# Altium PCB WX0.011.103PCB-4.2 .PcbDoc (part 1 of 2)
Units mil, origin at the board's own origin, x right, y up, seen from the top; angles counter-clockwise.
Board outline 10250.25 x 3401.14 mil, 2 copper layers (Top Layer, Bottom Layer); 158 components, 98 nets, 538 pads, 319 vias.
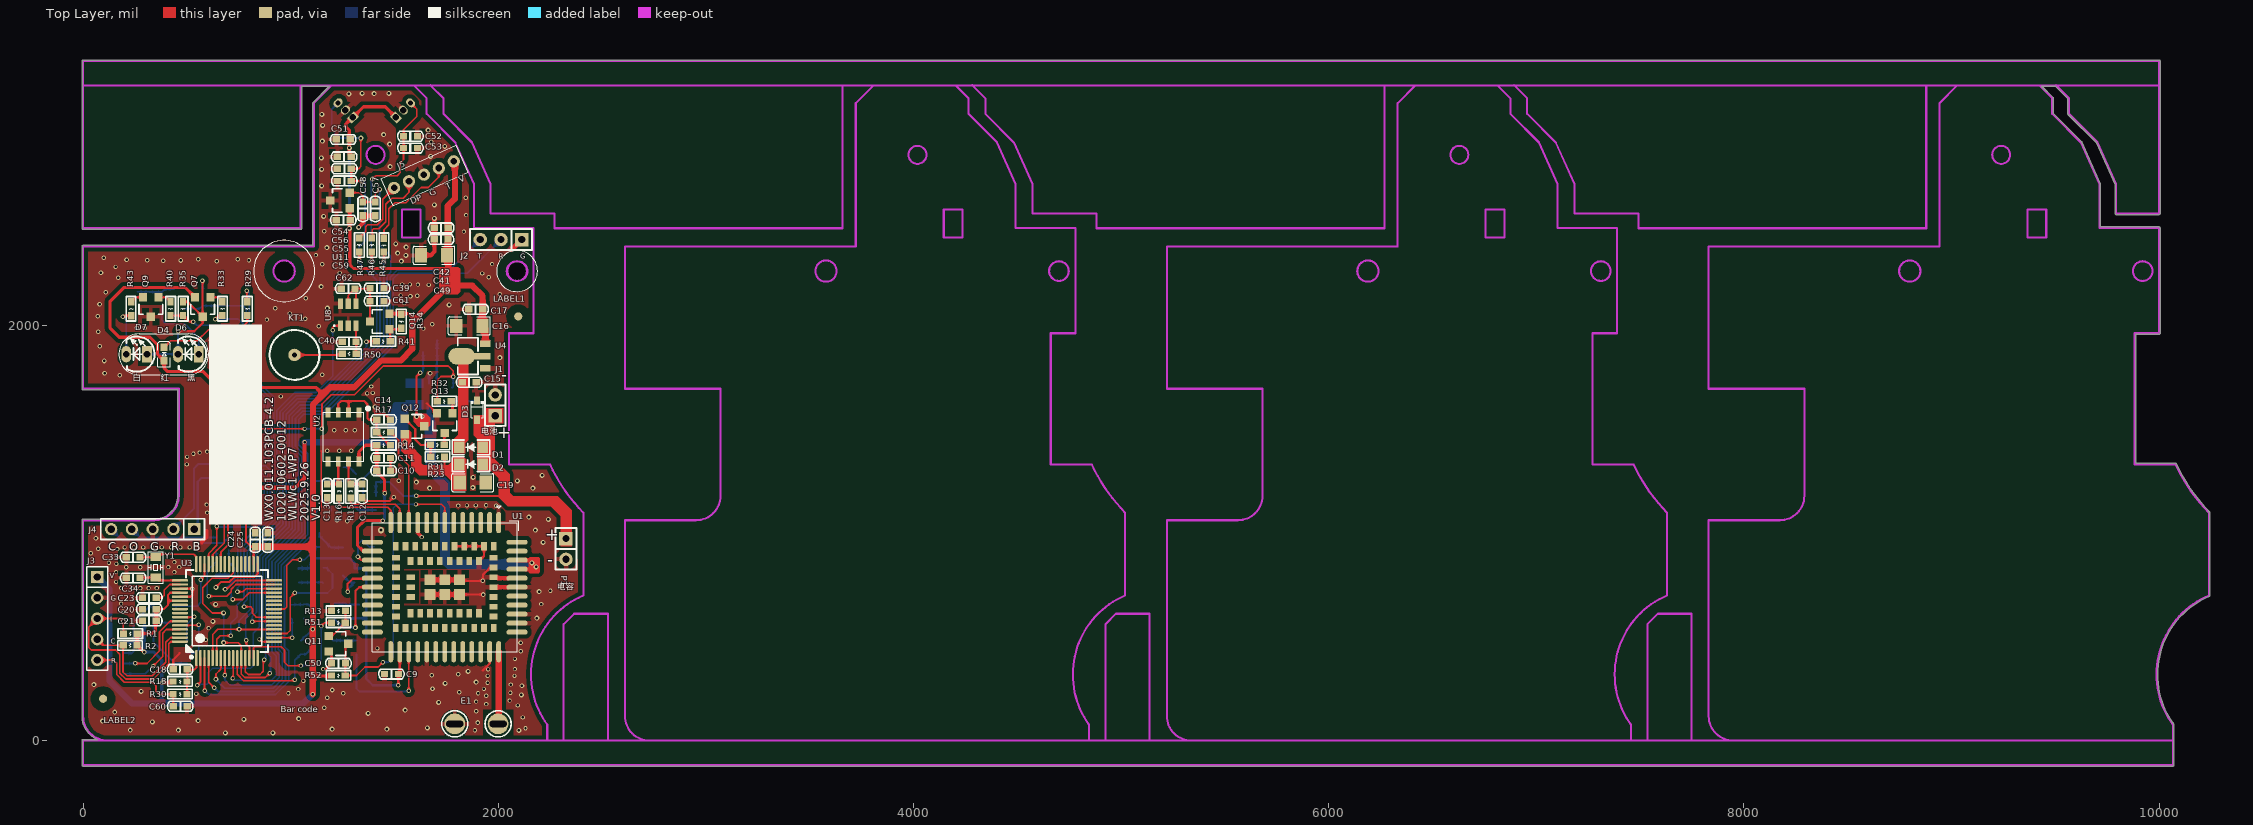
[diagram p0: Top Layer view]
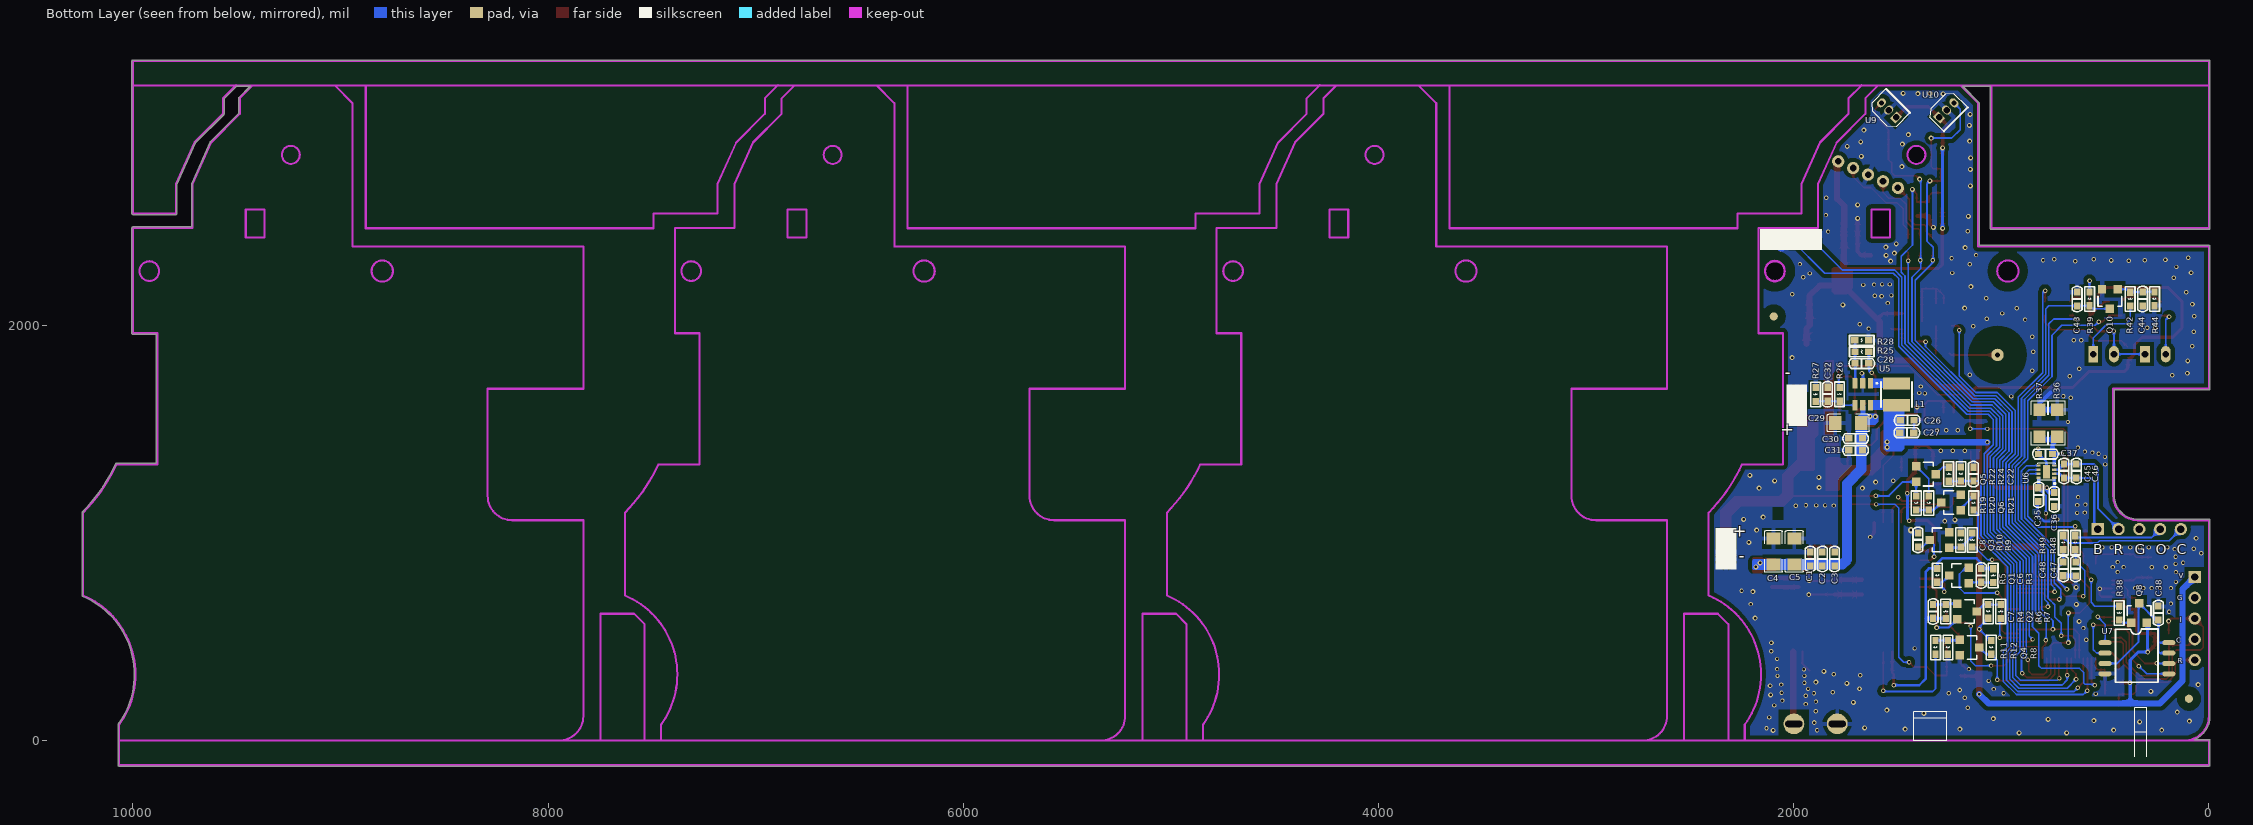
[diagram p1: Bottom Layer view, seen from below]

## Layer stack, top to bottom
Top Solder: solder mask 0.4, Solder Resist, Dk 3.5
Top Layer: signal copper 1.4
Dielectric 1: dielectric 12.6, FR-4, Dk 4.8
Bottom Layer: signal copper 1.4
Bottom Solder: solder mask 0.4, Solder Resist, Dk 3.5

## Board outline
0,-123.13 cw(c0,-118.11) -5.01,-118.11 -5.01,0 cw(c0,0) 0,5.02 69.18,5.02 cw(c118.11,118) -5.01,118 -5.01,1061.29 cw(c0,1061.29) 0,1066.31 342.52,1066.31 cw(c342.52,1061.29) 342.53,1066.31 cw(c342.54,1061.29) 342.54,1066.31 ccw(c342.54,1179.4) 455.63,1179.39 ccw(c342.54,1179.4) 455.63,1179.4 cw(c460.65,1179.4) 455.63,1179.43 455.63,1689.58 0,1689.58 cw(c0,1694.6) -5.01,1694.6 -5.01,2380 cw(c0,2380) 0,2385.02 1106.85,2385.02 1106.85,3070.34 cw(c1111.87,3070.34) 1108.34,3073.9 1108.32,3073.88 1185.96,3151.52 1053.08,3151.52 1053.08,2468 cw(c1048.06,2468) 1048.06,2462.98 0,2462.98 cw(c0,2468) -5.01,2468 -5.01,3273 cw(c0,3273) 0,3278.02 10000,3278.02 cw(c10000,3273) 10005.01,3273 10005.01,2539 cw(c10000,2539) 10000,2533.98 9793.5,2533.98 cw(c9793.5,2539) 9788.48,2539 9788.48,2679.15 9699.96,2877.98 9562.95,3014.99 9562.97,3014.97 cw(c9566.5,3018.54) 9561.48,3018.54 9561.48,3091.46 9501.42,3151.52 9434.88,3151.52 9489.32,3097.08 9489.3,3097.1 cw(c9485.77,3093.53) 9490.79,3093.53 9490.79,3020.61 9626.98,2884.42 cw(c9623.43,2880.87) 9628.02,2882.9 9628.02,2882.91 ccw(c9623.43,2880.87) 9626.96,2884.44 9628.02,2882.9 9717.35,2682.27 cw(c9712.77,2680.22) 9717.79,2680.22 9717.79,2474.15 10000,2474.15 cw(c10000,2469.14) 10005.01,2469.14 10005.01,1962 cw(c10000,1962) 10000,1956.98 9886.9,1956.98 9886.9,1335.61 10079.3,1335.61 cw(c10079.3,1330.59) 10083.84,1332.71 ccw(c10846.45,1688.32) 10242.42,1102.51 cw(c10240.16,1098.03) 10245.17,1098.03 10245.17,699.98 cw(c10240.22,699.17) 10245.24,699.17 cw(c10240.22,699.17) 10242.18,694.56 ccw(c10401.57,318.57) 9993.2,318.57 cw(c9988.18,318.57) 9993.18,318.17 ccw(c10401.55,318.57) 10070.66,79.25 cw(c10066.59,76.31) 10071.61,76.31 10071.61,-0.01 cw(c10066.59,-0.01) 10071.61,-0.21 10071.61,-118.11 cw(c10066.59,-118.11) 10066.59,-123.13
cut-out: 1535.57,2557.97 1535.57,2424.13 1626.12,2424.13 1626.12,2557.97 1626.1,2557.99 1626.08,2557.97
cut-out: 968.5,2210.33 cw(c968.5,2261.51) 917.32,2261.51 cw(c968.5,2261.51) 968.5,2312.69 cw(c968.5,2261.51) 1019.68,2261.51 cw(c968.5,2261.51)
cut-out: 1409.06,2778.23 cw(c1409.06,2821.53) 1365.76,2821.53 cw(c1409.06,2821.53) 1409.06,2864.84 cw(c1409.06,2821.53) 1452.37,2821.53 cw(c1409.06,2821.53)
cut-out: 2090.54,2210.33 cw(c2090.54,2261.51) 2039.36,2261.51 cw(c2090.54,2261.51) 2090.54,2312.69 cw(c2090.54,2261.51) 2141.73,2261.51 cw(c2090.54,2261.51)

## Design rules (kind name [scope] priority, off if disabled: settings)
Clearance VIA-VIA [ISVIA vs ISVIA] p1: gap=20 ignorepadtopadclearanceinfootprint=FALSE except(0: Arc-Hole Track-Hole SMDPad-Hole THPad-Hole Via-Hole Fill-Hole Poly-Hole Region-Hole Text-Hole)
Clearance VIA-PAD [ISVIA vs ISPAD] p2: gap=15 ignorepadtopadclearanceinfootprint=FALSE except(0: Arc-Hole Track-Hole SMDPad-Hole THPad-Hole Via-Hole Fill-Hole Poly-Hole Region-Hole Text-Hole)
Clearance VIA-TRACK [ISVIA vs ISTRACK] p3: gap=15 ignorepadtopadclearanceinfootprint=FALSE except(0: Arc-Hole Track-Hole SMDPad-Hole THPad-Hole Via-Hole Fill-Hole Poly-Hole Region-Hole Text-Hole)
Clearance Polygon [InPolygon] p4: gap=20 ignorepadtopadclearanceinfootprint=FALSE except(0: Arc-Hole Track-Hole SMDPad-Hole THPad-Hole Via-Hole Fill-Hole Poly-Hole Region-Hole Text-Hole)
Clearance [All] p5: gap=7 ignorepadtopadclearanceinfootprint=FALSE except(0: Arc-Hole Track-Hole SMDPad-Hole THPad-Hole Via-Hole Fill-Hole Poly-Hole Region-Hole Text-Hole)
ComponentClearance [All] p1 off: gap=10 collisioncheckmode=3 verticalgap=10 showdistances=FALSE
FabricationTestPointUsage TestPointUsage [All] p1: valid=0 allowmultiple=FALSE
FabricationTestpoint Testpoint [(IsPad And (OnTopLayer Or OnBottomLayer))] p1: side=3 testpointundercomponent=TRUE minsize=40 maxsize=100 preferedsize=60 minholesize=0 maxholesize=40 preferedholesize=32 testpointgrid=1 allowsidetop=TRUE allowsidebottom=TRUE usegrid=TRUE gridtolerance=0.01
HoleSize [All] p1 off: absolutevalues=TRUE maxlimit=300 minlimit=0 maxpercent=80.000 minpercent=20.000
HoleToHoleClearance [All] p1 off: gap=10 allowstackedmicrovias=TRUE
LayerPairs [All] p1 off: enforce=TRUE
MinimumSolderMaskSliver [All] p1 off: minsoldermaskwidth=10
NetAntennae [All] p1 off: netantennaetolerance=0
PlaneConnect [All] p1: planeconnectstyle=Relief reliefexpansion=20 reliefentries=4 reliefconductorwidth=20 reliefairgap=10
PolygonConnect [isvia] p1: connectstyle=Direct reliefconductorwidth=15 reliefentries=4 polygonreliefangle="90 Angle" airgapwidth=10
PolygonConnect PolygonConnect_1 [All] p2: connectstyle=Relief reliefconductorwidth=20 reliefentries=4 polygonreliefangle="90 Angle" airgapwidth=20
RoutingVias [All] p1: holewidth=10 width=20 viastyle="Through Hole" minholewidth=5 minwidth=5 maxholewidth=50 maxwidth=100
SilkToBoardRegionClearance [All] p1 off:
SilkToSilkClearance [All] p1 off: silktosilkclearance=10
SilkToSolderMaskClearance [IsPad] p1 off: minsilkscreentomaskgap=10 clearancetoexposedcopper=TRUE
SolderMaskExpansion [All] p1: expansion=4
Width [All] p1: maxlimit=300 minlimit=8 preferedwidth=8
18 further rules are at their usual default settings.

## Classes and differential pairs
component class WX0.011.104DL: "Bar code" C15 C16 C17 C18 C19 C20 C21 C22 C23 C24 C25 C26 C27 C28 C29 C30 C31 C32 C33 C34 C35 C36 C37 C38 C39 C40 C41 C42 C43 C44 C45 C46 C47 C48 C49 C51 C52 C53 C54 C55 C56 C57 C58 C59 C60 C61 C62 D1 D2 D3 D4 D6 D7 J1 J2 J3 J4 J5 KT1 L1 LABEL1 LABEL2 P1 Q5 Q6 Q7 Q8 Q9 Q10 Q12 Q13 Q14 R1 R2 R18 R19 R20 R21 R22 R23 R24 R25 R26 R27 R28 R29 R30 R31 R32 R33 R34 R35 R36 R37 R38 R39 R40 R41 R42 R43 R44 R45 R46 R47 R48 R49 R50 U3 U4 U5 U6 U7 U8 U9 U10 U11 Y1
component class WX0.011.105DL: C1 C2 C3 C4 C5 C6 C7 C8 C9 C10 C11 C12 C13 C14 C50 E1 Q1 Q2 Q3 Q4 Q11 R3 R4 R5 R6 R7 R8 R9 R10 R11 R12 R13 R14 R15 R16 R17 R51 R52 U1 U2

## Components (designator, comment, footprint, x,y, rotation, side; value= is the part's Value field where it differs from the comment)
"Bar code" "Bar code" "Bar Code1" 3159.06,1029.53 r270 top
C1 "22pF" CAP0603 1920.06,907.47 r270 bottom
C2 "100pF" CAP0603 1861.56,907.47 r270 bottom
C3 "100nF" CAP0603 1803.06,907.47 r270 bottom
C4 "100uF" GRM1206 2097.06,910.84 r0 bottom
C5 "100uF" GRM1206 1997.06,910.84 r0 bottom
C6 "1nF" CAP0603 1097.06,762.45 r90 bottom
C7 "1nF" CAP0603 1329.06,589.11 r90 bottom
C8 "10nF" CAP0603 1401.06,999.29 r270 bottom
C9 "1μF/16V" CAP0603 1452.55,320.53 r0 top
C10 "1μF/16V" CAP0603 1480.67,1299.53 r180 top
C11 "33pF" CAP0603 1480.67,1361.03 r180 top
C12 "33pF" CAP0603 1345.06,1169.78 r90 top
C13 "33pF" CAP0603 1175.06,1169.78 r90 top
C14 "33pF" CAP0603 1480.67,1545.53 r180 top
C15 "10uF/16V" CAP0603 1827.06,1726.53 r0 top
C16 "100uF" GRM1206 1860.37,1997.53 r270 top
C17 "100nF" CAP0603 1858.06,2077.53 r0 top
C18 "100nF" CAP0603 434.76,343.23 r0 top
C19 "100uF" GRM1206 1877.06,1242.53 r90 top
C20 "100nF" CAP0603 286.06,633.03 r0 top
C21 "10μF/10V" CAP0603 286.06,577.53 r0 top
C22 "10pF" CAP0603 1134.06,1316.29 r270 bottom
C23 "100nF" CAP0603 286.06,688.53 r0 top
C24 "100nF" CAP0603 829.06,1000.04 r270 top
C25 "100nF" CAP0603 890.06,1000.04 r270 top
C26 "22uF" CAP0603 1420.55,1542.53 r0 bottom
C27 "22uF" CAP0603 1422.06,1482.53 r0 bottom
C28 "22pF" CAP0603 1704.67,1816.53 r180 bottom
C29 "100uF" GRM1206 1737.06,1529.53 r270 bottom
C30 "22uF" CAP0603 1734.57,1455.53 r180 bottom
C31 "4.7uF" CAP0603 1734.57,1398.53 r180 bottom
C32 "100nF" CAP0603 1836.56,1701.03 r270 bottom
C33 "22pF" CAP0603 207.92,883.53 r0 top
C34 "22pF" CAP0603 207.92,783.53 r0 top
C35 "100nF" CAP0603 821.06,1151.53 r90 bottom
C36 "100nF" CAP0603 745.06,1194.53 r270 bottom
C37 "10nF" CAP0603 820.06,1380.53 r180 bottom
C38 "100nF" CAP0603 243.06,647.29 r270 bottom
C39 "100nF" CAP0603 1448.57,2179 r180 top
C40 "5pF" CAP0603 1248.55,1920.53 r0 top
C41 "100nF" CAP0603 1691.54,2414.53 r0 top
C42 "10μF/10V" CAP0603 1692.05,2470 r0 top
C43 "100pF/50V" CAP0603 635.06,2094.27 r90 bottom
C44 "10pF/50V" CAP0603 319.06,2160.02 r270 bottom
C45 "33pF" CAP0603 698.06,1331.53 r270 bottom
C46 "100nF" CAP0603 638.06,1331.53 r270 bottom
C47 "10nF" CAP0603 642.06,859.53 r270 bottom
C48 "10nF" CAP0603 701.06,794.03 r90 bottom
C49 "100uF" GRM1206 1690.08,2337.99 r270 top
C50 "10nF" CAP0603 1197.31,372.53 r0 top
C51 "1nF/50V" CAP0603 1220,2896 r0 top
C52 "33pF/50V" CAP0603 1544.06,2911.53 r0 top
C53 "1nF/50V" CAP0603 1544.06,2854.53 r0 top
C54 "1nF/50V" CAP0603 1224.55,2812.52 r0 top
C55 "33pF/50V" CAP0603 1291.06,2695.55 r180 top
C56 "1nF/50V" CAP0603 1291.06,2754.02 r180 top
C57 "1nF/50V" CAP0603 1408.06,2594.04 r270 top
C58 "33pF/50V" CAP0603 1348.06,2594.04 r270 top
C59 "1uF/16V" CAP0603 1286.06,2507 r180 top
C60 "33pF/50V" CAP0603 500.57,164.53 r180 top
C61 "100pF/50V" CAP0603 1448.57,2117 r180 top
C62 "1uF/16V" CAP0603 1309.57,2177 r180 top
D1 "DS12W" SOD-123FL 1928.15,1412.53 r180 top
D2 "DS36W" SOD-123FL 1928.15,1331.53 r180 top
D3 "XE3D5VB" SOD-323_L1.8-W1.3-LS2.5-RD 1898.06,1591.16 r270 top
D4 "Red" LED-0603 390.06,1829.53 r90 top
D6 "AT403" LED2_300 557.2,1861.53 r270 top
D7 "AT203-立" LED2_300 307.95,1861.53 r270 top
E1 "ANTENNA_3" 天线 1999.06,80.53 r180 top
J1 "CON2" SIP-2 1985.06,1565 r90 top
J2 "CON3" SIP-3 2113.06,2413.53 r180 top
J3 "CON5-2.54" PIN254_1*5*1100S 68.05,787.85 r270 top
J4 "CON5" PIN254_1*5*1100S 535.06,1018.53 r180 top
J5 "BCON-B5" J_DIP_2.0_1*05_H 1785.61,2790.15 r204 top
KT1 "Touch" TOUCH-1 1018.21,1857.6 r0 top
L1 "1.0uH" IND-SMD_L3.0-W3.0 1505.06,1668.03 r270 bottom
LABEL1 "" MARK 2096.06,2043 r90 top
LABEL2 "" MARK 96.06,201.53 r90 top
P1 "Header 2" SIP-2 2326.06,972.99 r270 top
Q1 "NPNS-9013" SOT-23 1204.06,795.2 r90 bottom
Q2 "NPNS-9013" SOT-23 1165.06,621.87 r270 bottom
Q3 "NPNS-9013" SOT-23 1298.06,966.53 r90 bottom
Q4 "NPNS-9013" SOT-23 1153.06,448.53 r270 bottom
Q5 "PNPS-9012" SOT-23 1363.06,1283.53 r270 bottom
Q6 "NPNS-9013" SOT-23 1242.06,1146.53 r90 bottom
Q7 "PNPS-9012" SOT-23 576.06,2088.53 r180 top
Q8 "PNPS-9012" SOT-23 336.06,614.53 r180 bottom
Q9 "PNPS-9012" SOT-23 326.06,2088.53 r180 top
Q10 "NPNS-9013" SOT-23 477.06,2127.02 r0 bottom
Q11 "NPNS-9013" SOT-23 1230.06,466.53 r270 top
Q12 "UT3401ZG" SOT-23 1596.31,1513.4 r270 top
Q13 "NPNS-9013" SOT-23 1742.06,1529 r180 top
Q14 "UT3401ZG" SOT-23 1429.06,2019 r90 top
R1 "10K 5%" RES0603 194.06,515.53 r0 top
R2 "10K 5%" RES0603 193.06,458.53 r0 top
R3 "4.7kΩ±5%" RES0603 1039.06,828.2 r270 bottom
R4 "4.7kΩ±5%" RES0603 1268.06,654.87 r270 bottom
R5 "10kΩ±5%" RES0603 1308.06,762.2 r90 bottom
R6 "10kΩ±5%" RES0603 1063.06,588.87 r90 bottom
R7 "0Ω±5%" RES0603 1003.06,654.87 r270 bottom
R8 "10kΩ±5%" RES0603 1049.06,415.53 r90 bottom
R9 "3KΩ±5%" RES0603 1139.06,999.53 r270 bottom
R10 "10K 5%" RES0603 1196.06,999.53 r270 bottom
R11 "3kΩ±5%" RES0603 1317.06,415.53 r90 bottom
R12 "10K±5%" RES0603 1257.06,415.53 r90 bottom
R13 "10K 5%" RES0603 1197.06,625.53 r0 top
R14 "20kΩ±5%" RES0603 1480.92,1422.53 r180 top
R15 "22Ω±5%" RES0603 1289.4,1235.53 r270 top
R16 "22Ω±5%" RES0603 1232.73,1235.53 r270 top
R17 "22Ω±5%" RES0603 1414.92,1485.03 r0 top
R18 "10kΩ±5%" RES0603 500.51,284.4 r180 top
R19 "10kΩ±5%" RES0603 1410.06,1110.53 r90 bottom
R20 "10kΩ±5%" RES0603 1350.06,1110.53 r90 bottom
R21 "3kΩ±5%" RES0603 1134.06,1110.53 r90 bottom
R22 "20K±1%" RES0603 1253.06,1316.53 r270 bottom
R23 "2M 5%" RES0603 1674.06,1368 r0 top
R24 "10kΩ±1%" RES0603 1194.56,1250.53 r90 bottom
R25 "560KΩ±1%" RES0603 1704.92,1872.53 r180 bottom
R26 "10Ω±5%" RES0603 1779.06,1701.03 r270 bottom
R27 "1MΩ±5%" RES0603 1894.06,1700.79 r270 bottom
R28 "240KΩ±1%" RES0603 1638.92,1927.53 r0 bottom
R29 "1kΩ±5%" RES0603 791.06,2047.29 r90 top
R30 "100Ω±5%" RES0603 500.51,223.58 r180 top
R31 "200K 5%" RES0603 1740.06,1424 r180 top
R32 "3K 5%" RES0603 1773.06,1634 r180 top
R33 "10kΩ±5%" RES0603 671.06,2047.29 r90 top
R34 "2M 5%" RES0603 1532.06,1986 r90 top
R35 "20K±5%" RES0603 481.06,2047.29 r90 top
R36 "1Ω±1%" R1206 731.06,1593.53 r270 bottom
R37 "1Ω±1%" R1206 816.06,1593.53 r270 bottom
R38 "3kΩ±5%" RES0603 432.06,647.53 r270 bottom
R39 "20kΩ±5%" RES0603 575.06,2094.02 r90 bottom
R40 "3kΩ±5%" RES0603 421.06,2047.29 r90 top
R41 "200K 5%" RES0603 1479.06,1923 r180 top
R42 "20kΩ±5%" RES0603 379.06,2160.02 r270 bottom
R43 "100Ω±5%" RES0603 231.06,2113.29 r270 top
R44 "47K±5%" RES0603 262.06,2094.27 r90 bottom
R45 "0Ω±5%" RES0603 1449.06,2353 r90 top
R46 "0Ω±5%" RES0603 1391.06,2354 r90 top
R47 "0Ω±5%" RES0603 1330.06,2354 r90 top
R48 "100Ω±5%" RES0603 643.06,919.53 r90 bottom
R49 "100Ω±5%" RES0603 701.06,919.53 r90 bottom
R50 "100Ω±5%" RES0603 1248.31,1863.53 r0 top
R51 "3KΩ±5%" RES0603 1263.06,567.53 r180 top
R52 "10kΩ±5%" RES0603 1263.06,313.53 r180 top
U1 "ML307R" MOD_ML307X_LGA109P 1742.06,738.97 r270 top
U2 "SIM" SIMIC 1155.64,1344.53 r0 top
U3 "FM33LE026" LQFP-64_L10.0-W10.0-P0.50-LS12.0-BL 693.06,623.74 r0 top locked
U4 "CE6232-3.3" SOT-89 1902.63,1851.59 r90 top
U5 "SN-SY7072A" SOT-23-6 1629.56,1721 r0 bottom
U6 "DRV8837DSGR" S-PWSON-N8 782.46,1295.05 r0 bottom
U7 "P25Q80H-SUH-IR" SOP-8L-200MIL 500.06,471.47 r180 bottom locked
U8 "TTP233H" SOT-23-6 1239.56,1998.53 r0 top
U9 "KTM1301SE" ESP3_QYSW_JSZ 1506.89,3001.47 r45 bottom locked
U10 "KTM1301SE" ESP3_QYSW_JSZ 1299.21,3001.47 r135 bottom locked
U11 "S-5712ACDL1" SOT-23 1237.06,2601.54 r90 top
Y1 "32.768K" SMD-3215_2P 349.43,785.11 r90 top

## Footprints (in the part's own frame and the unit in brackets; to place one, negate y for a bottom-side part, rotate by r counter-clockwise, add the part's x,y. Pads: shape width x height; smd on the part's side, far side on the other; paste and mask are expansions set on the pad)
"Bar Code1" [mil]
  silkscreen extent -975,-2553 -10,-2297
CAP0603 [mil]
  rect 35x31 smd: 1(-0.49,0) 2(66.51,0)
  silkscreen extent -29,-24 94,23, body extent 1,-15 72,15, height 20
ESP3_QYSW_JSZ [mm]
  rect 0.9x1.2 hole 0.8: 1(0,0)
  oval 0.9x1.2 hole 0.8: 2(1.27,0)
  oval 0.9x1.2 hole 0.6: 3(2.54,0)
  silkscreen extent -0.8,-1.6 3.34,1.5
GRM1206 [mm]
  rect 1.728x1.485 smd: 1(0,-1.593) 2(0,1.593)
  silkscreen extent -1.09,-2.56 1.09,2.56
IND-SMD_L3.0-W3.0 [mm]
  rect 1.5x3.32 smd: 1(1.328,0) 2(-1.328,0)
  silkscreen extent -1.52,-1.91 1.52,1.91
J_DIP_2.0_1*05_H [mm]
  round 1.5 hole 0.8: 1(0,0) 2(2,0) 3(4,0) 4(6,0) 5(8,0)
  silkscreen extent -1.02,-1.7 9.02,1.9
LED2_300 [mm]
  rect 2x1.2 hole 0.813: 1(0,0)
  oval 2x1.2 hole 0.813: 2(0,-2.54)
  silkscreen extent -2.16,-2.53 2.16,0.91, body extent -1.65,-2.91 1.64,0.39, height 5.51
LED-0603 [mil]
  rect 35x35 smd: 1(0,0) 2(65,0)
  silkscreen extent -30,-30 95,30
LQFP-64_L10.0-W10.0-P0.50-LS12.0-BL [mm]
  oval 0.3x2 smd: 1(-3.75,-5.75) 2(-3.25,-5.75) 3(-2.75,-5.75) 4(-2.25,-5.75) 5(-1.75,-5.75) 6(-1.25,-5.75) 7(-0.75,-5.75) 8(-0.25,-5.75) 9(0.25,-5.75) 10(0.75,-5.75) 11(1.25,-5.75) 12(1.75,-5.75) 13(2.25,-5.75) 14(2.75,-5.75) 15(3.25,-5.75) 16(3.75,-5.75) 33(3.75,5.75) 34(3.25,5.75) 35(2.75,5.75) 36(2.25,5.75) 37(1.75,5.75) 38(1.25,5.75) 39(0.75,5.75) 40(0.25,5.75) 41(-0.25,5.75) 42(-0.75,5.75) 43(-1.25,5.75) 44(-1.75,5.75) 45(-2.25,5.75) 46(-2.75,5.75) 47(-3.25,5.75) 48(-3.75,5.75)
  oval 2x0.3 smd: 17(5.75,-3.75) 18(5.75,-3.25) 19(5.75,-2.75) 20(5.75,-2.25) 21(5.75,-1.75) 22(5.75,-1.25) 23(5.75,-0.75) 24(5.75,-0.25) 25(5.75,0.25) 26(5.75,0.75) 27(5.75,1.25) 28(5.75,1.75) 29(5.75,2.25) 30(5.75,2.75) 31(5.75,3.25) 32(5.75,3.75) 49(-5.75,3.75) 50(-5.75,3.25) 51(-5.75,2.75) 52(-5.75,2.25) 53(-5.75,1.75) 54(-5.75,1.25) 55(-5.75,0.75) 56(-5.75,0.25) 57(-5.75,-0.25) 58(-5.75,-0.75) 59(-5.75,-1.25) 60(-5.75,-1.75) 61(-5.75,-2.25) 62(-5.75,-2.75) 63(-5.75,-3.25) 64(-5.75,-3.75)
  silkscreen extent -5,-5.79 5,5
MARK [mm]
  round 1 smd: 0(0,0)
  round 1 smd far side: 1(0,0)
  Top Layer pour cut-out: -1.5,0 -1.386,-0.574 -1.061,-1.061 -0.574,-1.386 0,-1.5 0,-1.5 0.574,-1.386 1.061,-1.061 1.386,-0.574 1.5,0 1.5,0 1.386,0.574 1.061,1.061 0.574,1.386 0,1.5 0,1.5 -0.574,1.386 -1.061,1.061 -1.386,0.574 -1.5,0
  Bottom Layer pour cut-out: -1.5,0 -1.386,-0.574 -1.061,-1.061 -0.574,-1.386 0,-1.5 0,-1.5 0.574,-1.386 1.061,-1.061 1.386,-0.574 1.5,0 1.5,0 1.386,0.574 1.061,1.061 0.574,1.386 0,1.5 0,1.5 -0.574,1.386 -1.061,1.061 -1.386,0.574 -1.5,0
MOD_ML307X_LGA109P [mm]
  oval 2.6x0.6 smd: 1(-7.9,6.6) 2(-7.9,5.5) 3(-7.9,4.4) 4(-7.9,3.3) 5(-7.9,2.2) 6(-7.9,1.1) 7(-7.9,0) 8(-7.9,-1.1) 9(-7.9,-2.2) 10(-7.9,-3.3) 11(-7.9,-4.4) 12(-7.9,-5.5) 13(-7.9,-6.6) 23(7.9,-6.6) 24(7.9,-5.5) 25(7.9,-4.4) 26(7.9,-3.3) 27(7.9,-2.2) 28(7.9,-1.1) 29(7.9,0) 30(7.9,1.1) 31(7.9,2.2) 32(7.9,3.3) 33(7.9,4.4) 34(7.9,5.5) 35(7.9,6.6)
  oval 0.6x2.6 smd: 14(-4.4,-8.85) 15(-3.3,-8.85) 16(-2.2,-8.85) 17(-1.1,-8.85) 18(0,-8.85) 19(1.1,-8.85) 20(2.2,-8.85) 21(3.3,-8.85) 22(4.4,-8.85) 36(4.4,8.85) 37(3.3,8.85) 38(2.2,8.85) 39(1.1,8.85) 40(0,8.85) 41(-1.1,8.85) 42(-2.2,8.85) 43(-3.3,8.85) 44(-4.4,8.85) 95(-5.5,-8.85) 96(5.5,-8.85) 97(5.5,8.85) 98(-5.5,8.85)
  rect 1x0.7 smd: 45(-5,4.8) 46(-5,3.6) 47(-5,2.4) 48(-5,1.2) 49(-5,0) 50(-5,-1.2) 51(-5,-2.4) 52(-5,-3.6) 53(-5,-4.8) 59(5,-4.8) 60(5,-3.6) 61(5,-2.4) 62(5,-1.2) 63(5,0) 64(5,1.2) 65(5,2.4) 66(5,3.6) 67(5,4.8) 73(-3.2,4.2) 74(-3.2,3) 75(-3.2,1.8) 76(-3.2,0.6) 77(-3.2,-0.6) 78(-3.2,-1.8) 79(-3.2,-3) 80(-3.2,-4.2) 81(3.2,-4.2) 82(3.2,-3) 83(3.2,-1.8) 84(3.2,-0.6) 85(3.2,0.6) 86(3.2,1.8) 87(3.2,3) 88(3.2,4.2) 99(-5,6) 100(-5,-6) 103(5,-6) 104(5,6)
  rect 0.7x1 smd: 54(-2.4,-5.95) 55(-1.2,-5.95) 56(0,-5.95) 57(1.2,-5.95) 58(2.4,-5.95) 68(2.4,5.95) 69(1.2,5.95) 70(0,5.95) 71(-1.2,5.95) 72(-2.4,5.95) 101(-3.6,-5.95) 102(3.6,-5.95) 105(3.6,5.95) 106(-3.6,5.95) 107(-1.2,-4.15) 108(0,-4.15) 109(1.2,-4.15)
  rect 1.3x1.3 smd: 89(-0.9,1.8) 90(-0.9,0) 91(-0.9,-1.8) 92(0.9,-1.8) 93(0.9,0) 94(0.9,1.8)
  silkscreen extent -9.94,-8.85 7.9,9.05
PIN254_1*5*1100S [mm]
  rect 1.5x1.5 hole 0.9: 1(0,0)
  round 1.5 hole 0.9: 2(2.54,0) 3(5.08,0) 4(7.62,0) 5(10.16,0)
  silkscreen extent -1.27,-1.27 11.43,1.27
R1206 [mil]
  rect 60x60 smd: 1(0,0) 2(130,0)
  silkscreen extent -40,-40 170,40
RES0603 [mil]
  rect 35x31 smd: 1(0,0) 2(67,0)
  silkscreen extent -26,-24 92,23, body extent 0,-15 71,15, height 12
S-PWSON-N8 [mm]
  rect 0.5x0.28 smd: 1(-0.95,0.75) 2(-0.95,0.25) 3(-0.95,-0.25) 4(-0.95,-0.75) 5(0.95,-0.75) 6(0.95,-0.25) 7(0.95,0.25) 8(0.95,0.75)
  rect 0.9x1.6 smd: 9(0,0)
  silkscreen extent -1.09,-1.05 1.04,1.52, body extent -0.98,-1 1.02,1, height 0.77
SIMIC [mm]
  rect 0.6x1.2 smd: 1(4.405,6) 2(3.135,6) 3(1.865,6) 4(0.595,6) 5(0.595,0) 6(1.865,0) 7(3.135,0) 8(4.405,0)
  silkscreen extent 0,0 5.59,6.56, body extent 0,0 4.95,5.97, height 0.6
SIP-2 [mil]
  rect 65x65 hole 35: 1(0,0)
  round 65 hole 35: 2(100,0)
  silkscreen extent -50,-50 150,50
SIP-3 [mil]
  rect 65x65 hole 35: 1(0,0)
  round 65 hole 35: 2(100,0) 3(200,0)
  silkscreen extent -50,-50 250,50
SMD-3215_2P [mm]
  rect 1x1.3 smd: 1(0,0) 2(2.5,0)
  silkscreen extent -0.69,-0.91 3.19,0.91, body extent -0.3,-0.99 2.9,0.99, height 0.7
SOD-123FL [mm]
  rect 1.3x1.4 smd: 1(0.074,0) 2(2.974,0)
  silkscreen extent -0.78,-0.9 3.82,0.9, body extent -0.28,-0.82 3.32,0.83, height 0.95
SOD-323_L1.8-W1.3-LS2.5-RD [mm]
  rect 1x0.75 smd: 1(-1.173,0) 2(1.173,0)
  silkscreen extent -1.08,-0.8 0.9,0.8
SOP-8L-200MIL [mm]
  oval 1.6x0.61 smd: 1(0,0) 2(0,-1.27) 3(0,-2.54) 4(0,-3.81) 5(7.8,-3.81) 6(7.8,-2.54) 7(7.8,-1.27) 8(7.8,0)
  silkscreen extent 1.27,-4.83 6.48,1.68, body extent 0.89,-4.35 6.89,0.55, height 1.7
SOT-23 [mil]
  rect 40x40 smd: 1(-37.4,-47.24) 2(37.4,-47.24) 3(0,47.24)
  silkscreen extent -57,-12 57,35, body extent -57,-55 57,55, height 47
SOT-23-6 [mil]
  rect 25x50 smd: 1(0,0) 2(37.5,0) 3(75,0) 4(75,105) 5(37.5,105) 6(0,105)
  silkscreen extent -33,-3 -27,3
SOT-89 [mm]
  rect 0.8x1.27 smd: 1(-1.5,-0.9) 3(1.5,-0.9)
  oval 2x3.3 smd: 2(0,2)
  rect 0.8x2.54 smd: 2(0,-0.265)
  silkscreen extent -2.25,0 2.25,2.5, body extent -2.25,-1.02 2.25,2.92, height 1.4
TOUCH-1 [mil]
  round 60 hole 25: 1(0,0)
  Top Layer pour cut-out: 0,-120 -7.87,-120 -23.46,-117.95 -38.66,-113.88 -53.19,-107.86 -66.81,-99.99 -79.29,-90.41 -90.41,-79.29 -99.99,-66.81 -107.86,-53.19 -113.88,-38.66 -117.95,-23.46 -120,-7.87 -120,0 -120,7.87 -117.95,23.46 -113.88,38.66 -107.86,53.19 -99.99,66.81 -90.41,79.29 -79.29,90.41 -66.81,99.99 -53.19,107.86 -38.66,113.88 -23.46,117.95 -7.87,120 0,120 7.87,120 23.46,117.95 38.66,113.88 53.19,107.86 66.81,99.99 79.29,90.41 90.41,79.29 99.99,66.81 107.86,53.19 113.88,38.66 117.95,23.46 120,7.87 120,0 120,-7.87 117.95,-23.46 113.88,-38.66 107.86,-53.19 99.99,-66.81 90.41,-79.29 79.29,-90.41 66.81,-99.99 53.19,-107.86 38.66,-113.88 23.46,-117.95 7.87,-120 0,-120
  silkscreen extent -120,-120 120,120
天线 [mm]
  round 2.54 hole 0.8 slot 2.1 at 0 deg: 1(0,0) 2(5.3,0)
  silkscreen extent -1.6,-1.6 6.9,1.6

## Part data
"Bar code": library part txm
C1 C28 C33 C34: library part 3, "贴片电容,22pF±5%/50V,NP0,国巨"
C2: library part 9, "贴片电容,100pF±10%/50V,NP0,国巨"
C3 C17 C18 C20 C23 C24 C25 C32 C35 C36 C38 C39 C41 C45 C46: library part 1, "贴片电容,100nF±10%/50V,X7R,国巨"
C4 C5 C16 C19 C29 C49: library part 16, "贴片电容,100uF±20%/6.3V,X5R,村田"
C6 C7: library part 6, "贴片电容,1nF±10%/50V,X7R,国巨"
C8 C37 C47 C48 C50: library part 5, "贴片电容,10nF±10%/50V,X7R,国巨"
C9 C10 C42: library part 2, "贴片电容,1μF±10%/16V,X7R,国巨"
C11 C12 C13 C14: library part 4, "贴片电容,33pF±10%/50V,NP0,国巨"
C15: library part 101020103-0003, "105pF,16V,±10%,0603,国巨,CC0603KRX7R7BB105"
C21: library part 8, "贴片电容,10μF±10%/10V,X7R,村田"
C22: library part 15, "贴片电容,12pF±5%/50V,NPO,国巨"
C26 C27 C30: library part 19, "贴片电容,22uF±20%,10V,X5R,村田"
C31: library part 14, "贴片电容,4.7uF±10%/35V,X5R,村田"
C40: library part 18, "贴片电容,4.7pF±0.25pF/50V,NPO,国巨"
C43 C61: library part 101020103-0010, "101pf,50 V,±5%,0603,国巨,CC0603JRNP09BN101"
C44: library part 101020103-0014, "10pF,50 V,±5%,0603,X7R,国巨,CC0603JRNPO9BN100"
C51 C53 C54 C56 C57: library part 101020103-0022, "102pF,50 V,±10%,0603,国巨,CC0603KRX7R9BB102"
C52 C55 C58 C60: library part 101020103-0027, "33pF,50 V,±10%,0603,国巨,CC0603KRNPO9BN33"
C59 C62: library part 101020103-0003, "105pF,16 V,±10%,0603,国巨,CC0603KRX7R7BB105"
D1 D2: library part 101040101-0055, "DS36W,SOD123-FL,3 A,42 V,60 V,浙江领晨科技有限公司,DS36W"
D3: library part 12, "具有3.5pF低结电容，适用于IO线、电源线、高速信号的ESD二极管阵列,SOD-323,5 V,5 V,350 W,5 A,1 uA,矽航,XE3D5VB"
D4: library part 3, "发光二极管,红色,0603,光宝"
D6: library part 6, "红外接收头，插件，红光，AT403_PD_01"
D7: library part 5, "红外发射头，插件，红光，AT203"
E1: library part 28, "外置天线焊盘（固定孔）"
J1: library part 1, "焊接插座,间距2.54mm"
J2: library part 2, "焊接插座,间距2.54mm"
J3: library part 15, "焊接插座,间距2.0mm"
J4: library part 4, "焊接插座,间距2.54mm"
J5: library part 14, "焊接插座,90度插板双面焊盘,公头,间距1.5mm"
KT1: library part 2, "按键,6mm弹簧按键,按键直径10mm"
L1: library part 9, "电感，1.0uH,2.7A,±20%,3.3*1.5mm，74438335010，伍尔特电子有限公司"
LABEL1 LABEL2: library part 1, "标准Mark点,直径1mm,阻焊开窗3mm"
Q1 Q2 Q3 Q4 Q6 Q10 Q11 Q13: library part 101040201-0002, "9013,NPN,SOT-23,长电,S9013"
Q5 Q7 Q8 Q9: library part 101040201-0001, "9012,PNP,SOT-23,JCET;长电,S9012"
Q12 Q14: library part 101040201-0013, "UT3401ZG,P-MOS,SOT-23,UTC,UT3401ZG"
R1 R2 R10 R13: library part 101010103-0003, "国巨,±5%,0603,,155 ℃,-55 ℃,RC0603JR-0710KL,无铅,200 ppm/℃,1/10W,,10K"
R3 R4 R9 R11 R14 R21 R51: library part 12, "贴片电阻,4.7kΩ±5%,1/10W,100ppm/℃,国巨"
R5 R6 R8 R18 R19 R20 R38 R52: library part 2, "贴片电阻,10kΩ±5%,1/10W,100ppm/℃,国巨"
R7 R30: library part 15, "贴片电阻,0Ω±5%,1/10W,100ppm/℃,国巨"
R12 R44: library part 22, "贴片电阻，47K,±5%,1/10W,0603,国巨,RC0603JR-0747KL"
R15 R16 R17: library part 14, "贴片电阻,22Ω±5%,1/10W,100ppm/℃,国巨"
R22: library part 23, "贴片电阻，20K,±1%,1/10W,0603,国巨,RC0603FR-0720KL"
R23 R34: library part 101010103-0025, "国巨,±5%,0603,,155 ℃,-55 ℃,RC0603JR-072ML,含铅,100 ppm/℃,1/10W,,2M"
R24: library part 6, "贴片电阻,10kΩ±1%,1/10W,100ppm/℃,国巨"
R25: library part 47, "贴片电阻，560KΩ±1%,0603,国巨，RC0603FR-07560KL"
R26: library part 11, "贴片电阻,10Ω±5%,1/10W,100ppm/℃,国巨"
R27 R35: library part 4, "贴片电阻,1MΩ±5%,1/10W,100ppm/℃,国巨"
R28: library part 46, "贴片电阻，240KΩ±1%,0603,国巨，RC0603FR-07240KL"
R29 R33 R40: library part 1, "贴片电阻,1kΩ±5%,1/10W,100ppm/℃,国巨"
R31 R41: library part 101010103-0034, "200K,±5%,1/10W,0603,国巨,RC0603JR-07200KL"
R32: library part 101010103-0006, "国巨,±5%,0603,,155 ℃,-55 ℃,RC0603JR-073KL,无铅,100 ppm/℃,1/10W,,3K"
R36 R37: library part 41, "贴片电阻，1Ω±1%,1/4W,1206,国巨,RC1206FR-071RL"
R39: library part 8, "贴片电阻,100kΩ±5%,1/10W,100ppm/℃,国巨"
R42: library part 7, "贴片电阻,20kΩ±5%,1/10W,100ppm/℃,国巨"
R43 R45 R46 R47 R48 R49 R50: library part 5, "贴片电阻,100Ω±5%,1/10W,100ppm/℃,国巨"
U1: library part 15, "集成电路,中国移动，ML307R"
U2: library part 2, "集成电路,ESIM,杭州电信"
U3: library part 10, "单片机,FM33LE026,复旦微"
U4: library part 1010503-0029, "CE6232-3.3,CE6232-3.3,SOT89-3,8V,1.8V,0.11V,3.3V,300mA,0.8uA,南京芯力微电子有限公司"
U5: library part 19, "集成电路，矽力杰股份有限公司，SN-SY7072A"
U6: library part 101050101-0060, "DRV8837DSGR,S-PWSON-N8,TI,DRV8837DSGR"
U7: library part 101050101-0218, "P25Q80H-SUH-IR,SOP8 208mil,普冉半导体（上海）股份有限公司,P25Q80H-SUH-IR"
U8: library part 5, "集成电路，TTP233H,TONTEK"
U9 U10: library part 30, "昆泰KTM1301SE（插件）"
U11: library part 1010504-0002, "S-5712ACDL1,SOT23-3,3.5 V,1.6 V,2 uA,精工电子,S-5712ACDL1"
Y1: library part 2, "晶振,32.768KHz,±20ppm,12.5pF,3215,EPSON"

## Via types
v1: diameter 22, hole 12, Top Layer to Bottom Layer, tented both sides, 121 vias
v2: diameter 20, hole 12, Top Layer to Bottom Layer, tented both sides, 109 vias
v3: diameter 24, hole 12, Top Layer to Bottom Layer, tented both sides, 87 vias
v4: diameter 30, hole 15, Top Layer to Bottom Layer, tented both sides, 1 vias
v5: diameter 21, hole 12, Top Layer to Bottom Layer, tented both sides, 1 vias

## Nets (pads, with @x,y where several pads share a name; then routed paths per layer and width w, separated by ;. In a path a pad name is that pad's centre, name@x,y a point inside that pad or via, vN(x,y) a via of type N, cw(c..) or ccw(c..) an arc to the next point about the centre after c; other vN are vias at no path point)
4G_RST: C8.2 Q3.3 U1.15 | length 236.6
  Top Layer w8: v1(1324.06,884.53) 1339.71,868.89 U1.15@1393.64,868.89
  Bottom Layer w8: v1(1324.06,884.53) 1324.06,945.29 Q3.3@1345.31,966.53 1379.06,932.78 C8.2@1401.06,932.78
4G_RST_MCU: R9.2 U3.25 | length 460.6
  Top Layer w8: U3.25@919.43,633.58 971.11,633.58 981.06,643.53 981.06,843.53 1008.53,871 v2(1044.06,871)
  Bottom Layer w8: v2(1044.06,871) 1066.53,871 1128.06,932.53 R9.2@1139.06,932.53
4G_RX: Q1.3 R5.1 U1.17 | length 297.8
  Top Layer w10: v1(1274.06,717.53) 1274.06,755.53 1298.06,779.53 1390.9,779.53 U1.17@1393.64,782.27
  Bottom Layer w10: Q1.3@1251.31,795.2 1284.31,762.2 R5.1@1308.06,762.2 1274.06,728.2 v1(1274.06,717.53)
4G_RX_MCU: R7.2 U3.18 | length 183.1
  Top Layer w8: U3.18@919.43,495.79 1005.8,495.79 v1(1007.06,494.53)
  Bottom Layer w8: R7.2@1003.06,587.87 1007.06,583.87 v1(1007.06,494.53)
4G_TX: Q2.2 U1.18 | length 382.1
  Top Layer w10: v1(1312.06,544.53) 1312.06,721.53 1329.5,738.97 U1.18@1393.64,738.97
  Bottom Layer w10: Q2.2@1212.31,584.47 1252.24,544.53 v1(1312.06,544.53)
4G_TX_MCU: Q1.2 U3.19 | length 589.6
  Top Layer w8: U3.19@919.43,515.47 982,515.47 997.06,530.53 997.06,689 v1(1019.06,711)
  Bottom Layer w8: v1(1019.06,711) 1177.1,711 1201.06,734.96 1201.06,802.53 1170.99,832.6 Q1.2@1156.82,832.6
AIN8: C37.2 R36.2 R37.2 U3.42 U6.4 | length 757.5
  Top Layer w10: U3.42@663.53,850.11 663.53,907.07 697.31,940.85 697.31,1368.79 v1(710.06,1381.53)
  Bottom Layer w10: v1@710.06,1380.53 C37.2@753.55,1380.53
  Bottom Layer w20: C37.2@753.55,1380.53 753.55,1427.04 731.06,1449.53 R37.2@816.06,1449.53
ANT_MAIN: E1.1 U1.35 | length 348.6
  Top Layer w30: E1.1@1999.06,80.53 2001.91,83.38 U1.35@2001.91,427.94
CLOSE: C48.2 R49.1 U3.32 | length 476.1
  Top Layer w8: v1(683.56,729.05) 692.44,729.05 734.77,771.38 U3.32@919.43,771.38
  Bottom Layer w8: v1(683.56,729.05) 685.14,729.05 730.06,773.98 730.06,831.53 C48.2@701.06,860.53 R49.1@701.06,919.53
CTR_F_VCC: R38.1 U3.46 | length 334.4
  Top Layer w8: v1(567.06,774.53) 584.79,792.26 U3.46@584.79,850.11
  Bottom Layer w8: R38.1@432.06,647.53 549.06,647.53 567.06,665.53 v1(567.06,774.53)
DB_RXD: J2.2 U3.7 | length 3328.5
  Top Layer w8: v1(640.06,295.53) 640.06,320.53 663.53,344 U3.7@663.53,397.37
  Bottom Layer w8: v1(640.06,295.53) 683.06,252.53 915.49,252.53 960.06,297.11 960.06,419.75 940.06,439.75 940.06,850.44 1019.62,930 1020.28,930 1082.56,992.28 1082.56,1381.02 1038.06,1425.52 1038.06,1546.53 1063.06,1571.53 1165.88,1571.53 1494,1899.66 1494,2225.62 1519.92,2251.53 1851.06,2251.53 J2.2@2013.06,2413.53
DB_TXD: J2.3 U3.8 | length 3166.5
  Top Layer w8: v1(682.06,315.53) 683.22,316.69 U3.8@683.22,397.37
  Bottom Layer w8: v1(682.06,315.53) 682.06,292.53 707.06,267.53 909.28,267.53 945.06,303.32 945.06,413.53 925.06,433.53 925.06,856.65 1013.41,945 1014.07,945 1067.56,998.49 1067.56,1374.81 1023.06,1419.31 1023.06,1552.75 1056.85,1586.53 1159.66,1586.53 1479,1905.87 1479,2231.83 1513.7,2266.53 1766.06,2266.53 J2.3@1913.06,2413.53
DRV+: C45.2 C46.2 J4.1 U6.2 | length 444.6
  Bottom Layer w10: J4.1@535.06,1018.53 552.06,1035.53 552.06,1247.53 569.55,1265.03 C46.2@638.06,1265.03 C45.2@698.06,1265.03 718.25,1285.21 U6.2@745.05,1285.21
DRV-: C45.1 C46.1 J4.2 U6.3 | length 564.1
  Bottom Layer w10: J4.2@435.06,1018.53 535.06,1118.53 535.06,1311.53 555.55,1332.03 C46.1@638.06,1332.03 C45.1@698.06,1332.03 725.19,1304.9 U6.3@745.05,1304.9
EXTI1: R45.1 U3.12 U3.39 | length 3302
  Top Layer w8: v3(677.06,471.53) 747.06,471.53 761.96,456.63 U3.12@761.96,397.37 761.96,320.43 778.86,303.53 878.06,303.53 898.06,323.53 v1(898.06,324.53) ; v3(677.06,615.53) 676.06,614.53 622.06,614.53 576.06,660.53 576.06,736.53 621.06,781.53 697.06,781.53 722.59,807.06 U3.39@722.59,850.11 ; v1(1449,2312.26) 1449,2350.94 R45.1@1450.06,2352
  Bottom Layer w8: v3(677.06,471.53) 679.06,473.53 676.06,476.53 677.06,477.53 v3(677.06,615.53) ; v1(898.06,324.53) 899.06,324.53 902.82,328.29 902.82,402.21 895.06,409.96 895.06,869.08 1000.98,975 1001.64,975 1037.56,1010.92 1037.56,1362.38 993.06,1406.88 993.06,1565.17 1044.42,1616.53 1147.24,1616.53 1449,1918.3 v1(1449,2312.26)
EXTI2: C52.1 C53.1 R46.1 U3.13 U9.3 | length 3450.9
  Top Layer w8: U3.13@781.64,397.37 781.64,331.95 795.06,318.53 852.06,318.53 868.06,334.53 868.06,385.03 v1(872.82,389.78) ; R46.1@1388.06,2351 1390,2349.06 v1(1390,2313.13) ; v3(1393.06,2704) 1410.6,2721.53 1513.06,2721.53 1528.06,2736.53 1528.06,2783.53 1543.57,2799.04 C53.1@1543.57,2854.53 C52.1@1543.57,2911.53 1543.57,2943.04 1607.06,3006.53 1607.06,3042.71 U9.3@1577.6,3072.18
  Bottom Layer w8: v1(872.82,389.78) 880.06,397.03 880.06,875.29 994.77,990 995.43,990 1022.56,1017.13 1022.56,1356.17 978.06,1400.67 978.06,1571.39 1038.21,1631.53 1141.02,1631.53 1430.06,1920.57 1430.06,2232 1388.06,2274 1388.06,2303 1388.06,2699 v3(1393.06,2704)
EXTI3: C55.1 C56.1 R47.1 U3.17 U10.3 | length 3310.4
  Top Layer w8: v2(849.06,487.53) 850.2,487.53 861.63,476.1 U3.17@919.43,476.1 ; R47.1@1330.06,2354 1328.06,2352 1331,2349.06 v1(1331,2313) ; v3(1338.06,2902) 1338.06,2765 1327.06,2754 C56.1@1291.55,2754.02 C55.1@1291.55,2695.55 v3@1343.61,2695.55
  Bottom Layer w8: v2(849.06,487.53) 865.06,503.53 865.06,881.5 988.56,1005 989.22,1005 1007.56,1023.35 1007.56,1349.96 963.06,1394.46 963.06,1577.6 1032,1646.53 1134.81,1646.53 1415.06,1926.79 1415.06,2217 1328.06,2304 1328.06,2376 1358.06,2406 1358.06,2682 v3(1344.06,2696) ; U10.3@1228.5,3072.18 1198.06,3041.74 1198.06,2942.53 1238.06,2902.53 1337.53,2902.53 v3(1338.06,2902)
EXTI4: C43.1 Q10.3 R39.1 U3.5 U3.20 | length 2431.7
  Top Layer w8: U3.5@624.16,397.37 624.16,511.06 648.64,535.53 v1(751.06,535.53) ; v1@751.06,535.16 U3.20@919.43,535.16
  Bottom Layer w8: Q10.3@477.06,2079.78 560.82,2079.78 R39.1@575.06,2094.02 634.82,2094.02 C43.1@635.06,2093.78 770.82,2093.78 786.06,2078.53 786.06,1766.17 903.06,1649.17 903.06,1369.6 947.56,1325.1 947.56,1048.86 805.06,906.36 805.06,631.17 751.06,577.17 v1(751.06,535.53)
FLASH_CLK: U3.59 U7.6 | length 411.6
  Top Layer w8: v1(252.12,371.47) 307.57,371.47 368.06,431.96 368.06,523.75 418.85,574.53 U3.59@466.69,574.53
  Bottom Layer w8: U7.6@192.98,371.47 v1(252.12,371.47)
FLASH_CS: U3.58 U7.1 | length 210.3
  Top Layer w8: U3.58@466.69,594.21 533.74,594.21 v1(536.06,596.53)
  Bottom Layer w8: U7.1@500.06,471.47 500.06,560.53 v1(536.06,596.53)
FLASH_MISO: U3.60 U7.2 | length 275.1
  Top Layer w8: U3.60@466.69,554.84 554.37,554.84 v1(557.06,557.53)
  Bottom Layer w8: U7.2@500.06,421.47 541,421.47 557.06,437.53 v1(557.06,557.53)
FLASH_MOSI: U3.61 U7.5 | length 428.4
  Top Layer w8: v1(337.06,358.53) 383.06,404.53 383.06,517.53 400.69,535.16 U3.61@466.69,535.16
  Bottom Layer w8: U7.5@192.98,321.47 300,321.47 v1(337.06,358.53)
FLASH_VCC: C38.2 Q8.3 U7.3 U7.7 U7.8 | length 772.9
  Bottom Layer w10: U7.7@192.98,421.47 234,421.47 243.06,430.53 243.06,471.53 ; U7.8@192.98,471.47 243,471.47 243.06,471.53 ; U7.3@500.06,371.47 442.12,371.47 338.06,475.53 338.06,659.78 Q8.3@336.06,661.78 255.06,580.78 C38.2@243.06,580.78 243.06,471.53
FLASH_WP: U3.56